# Altium PCB BaseBoard.PcbDoc (part 2 of 3)
Units mm, origin at the board's own origin, x right, y up, seen from the top; angles counter-clockwise.
Board outline 100 x 99.75 mm, 4 copper layers (Top Layer, Mid Layer 1, Mid Layer 2, Bottom Layer), stack 1.57 mm thick; 186 components, 158 nets, 693 pads, 406 vias.
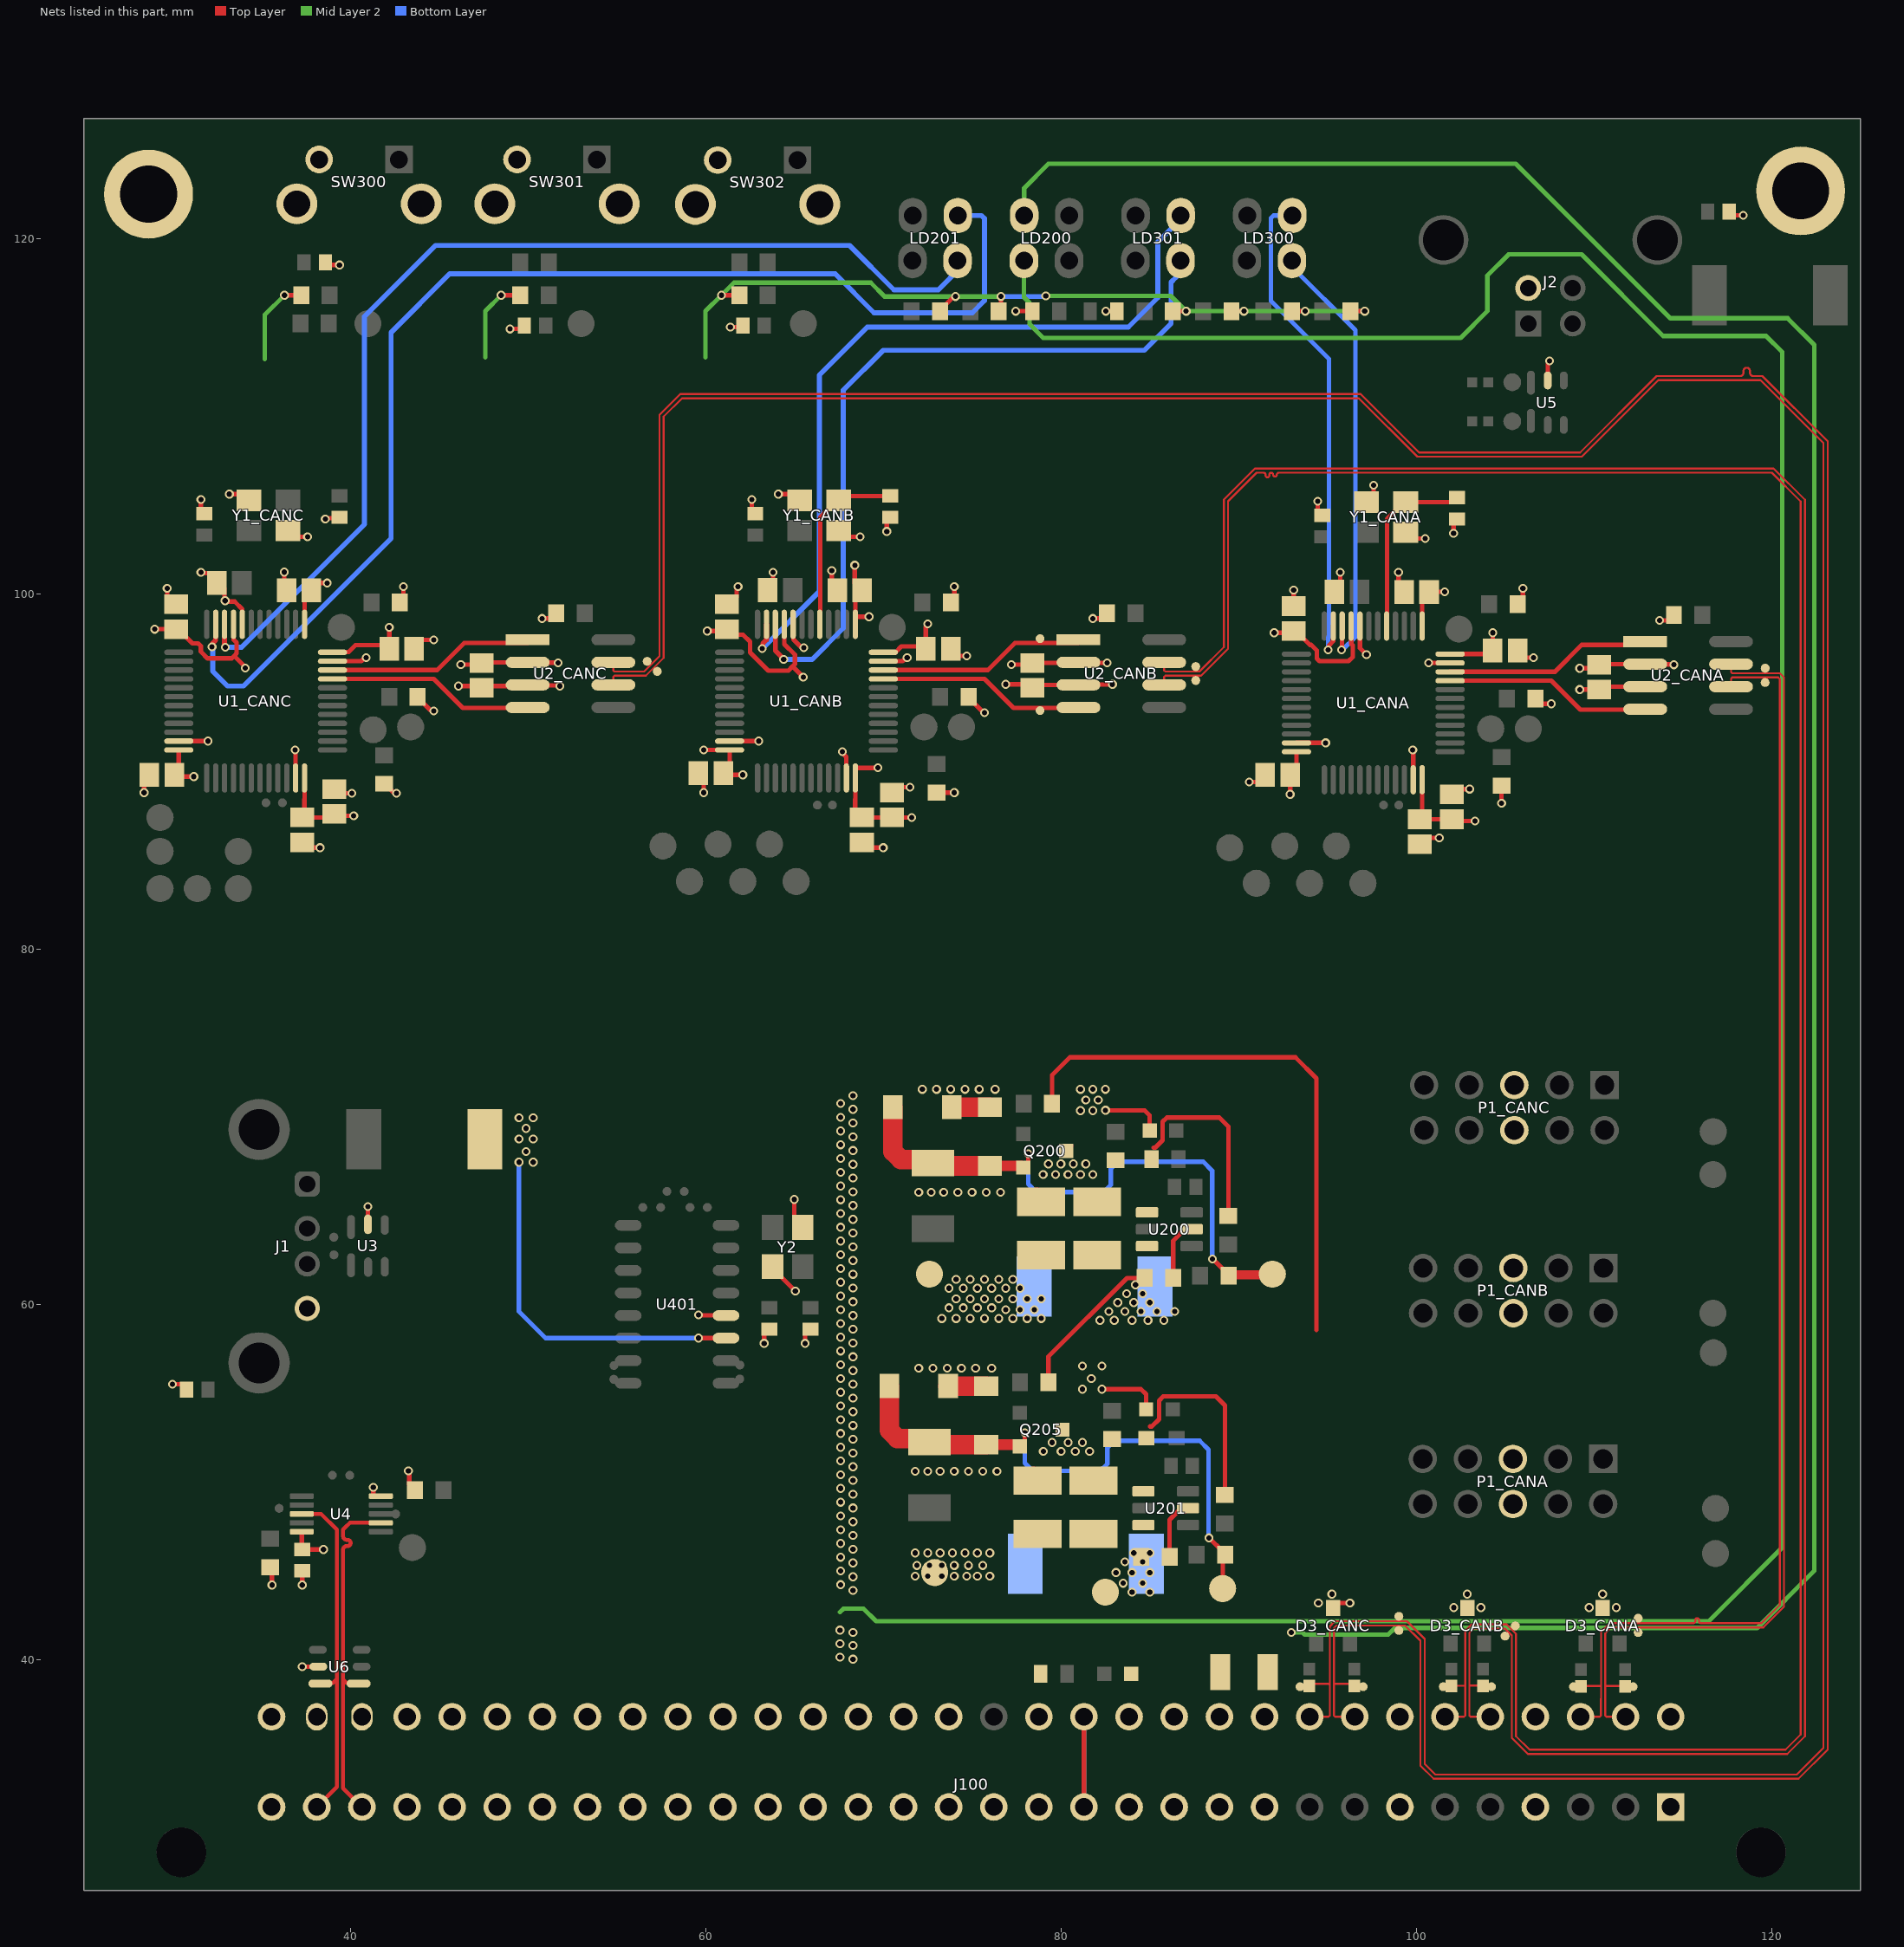
[diagram p4: the nets of this part, all layers, seen from the top]

## Part data
C1_CANA C1_CANB C1_CANC C4_CANA C4_CANB C4_CANC C5_CANA C5_CANB C5_CANC C6_CANA C6_CANB C6_CANC C7_CANA C7_CANB C7_CANC C8_CANA C8_CANB C8_CANC C9_CANA C9_CANB C9_CANC C10_CANA C10_CANB C10_CANC: library part CMP-2007-00266-1, Manufacturer=Kemet, Part Number=C0805C103K5RACTU
C2_CANA C2_CANB C2_CANC C3_CANA C3_CANB C3_CANC C11 C12 C13 C14 C15 C200 C205 C309 C310 C311: library part CMP-2006-03061-2, "CAP CER 0.1UF 50V X7R 0603", Capacitance="0.10 μF", Manufacturer=KEMET, Manufacturer Part Number=C0603C104K5RACTU, Package=C0603C-CF, Temperature="-55°C to +125°C", Temperature Characteristic=X7R, Temperature Coefficient=30ppm/°C, Temperature Range High=+125°C, Temperature Range Low=-55°C, Tolerance=0.1, Voltage Rating="50 V", Automotive=Yes, Automotive Grade="Grade 1", Category=Cap, ComponentLink2Description=Datasheet, ComponentLink2URL=https://api.kemet.com/component-edge/download/datasheet/C0603C100J5GACAUTO.pdf, Device Class L1="Passive Components", Device Class L2=Capacitors, Device Class L3="Ceramic Capacitors", Digikey Description="CAP CER 0.1UF 50V X7R 0603", Height=0.87mm, Lead Free=Yes, Material=Ceramic, Octopart=https://octopart.com/c0603c104k5ractu-kemet-139244, RoHS=TRUE
C201 C202 C206 C207: library part CMP-05428-001070-1, "Molded Tantalum Polymer Capacitor 10uF 20% 16V life 2000Hours SMD 1411", Capacitance=10uF, Case Code (Imperial)=1210, Case Code (Metric)=3528, Case/Package=1411, ESR (Equivalent Series Resistance)=100mR, Leakage Current=48uA, Max Operating Temperature=105°C, Min Operating Temperature=-55°C, Package Quantity=2000, Ripple Current=800mA, Tolerance=20%, Voltage=16V, Construction=Flat, Depth=2.8mm, Dissipation Factor=10%, Features="General Purpose", Height=1.9mm, Height - Seated (Max)=0.083inch, Lead Free="Lead Free", Length=3.5mm, Life (Hours)=2000Hour, Mount="Surface Mount", Number of Pins=2, Packaging="Tape and Reel", Polarity=Polar, Radiation Hardening=No, REACH SVHC="No SVHC", RoHS Compliant=Yes, Series="POSCAP™ TQC", Termination=SMD/SMT, Voltage Rating=16V, Voltage Rating (DC)=16V, Width=2.8mm
C203 C204 C208 C209: library part CMP-08246-004858-1, "Multilayer Ceramic Capacitors 22μF ±20% 6.3V X5R SMD 1206", Capacitance=22uF, Case Code (Imperial)=1206, Case Code (Metric)=3216, Dielectric=X5R, Dielectric Material=Ceramic, Max Operating Temperature=85°C, Min Operating Temperature=-55°C, Package Quantity=1, Tolerance=20%, Voltage Rating=6.3V, Case/Package=1206, Depth=1.6mm, Height=0.85mm, Lead Free="Lead Free", Length=0.126inch, Mount="Surface Mount", Number of Pins=2, Packaging="Cut Tape", REACH SVHC="No SVHC", Resistor Type=Ceramic, RoHS Compliant=Yes, Series=C, Termination=SMD/SMT, Thickness=0.037inch, Voltage Rating (DC)=6.3V, Weight=0.000571oz, Width=0.063inch
D1 D2 D203 D204: library part CMP-00278-84331622-1, "SS32 Rectifier Diode, Schottky, 1 Phase, 1 Element, 3A, 20V V(RRM), Silicon, DO-214AB", Average Rectified Current=3A, Case/Package=SMC, Forward Voltage=500mV, Manufacturer Lifecycle Status=ACTIVE, Max Forward Surge Current (Ifsm)=100A, Max Junction Temperature (Tj)=150°C, Max Power Dissipation=2.27W, Max Repetitive Reverse Voltage (Vrrm)=20V, Max Reverse Leakage Current=500µA, Min Operating Temperature=-55°C, Current Rating=3A, Element Configuration=Single, Forward Current=3A, Height=2.65mm, Lead Free="Lead Free", Length=7.15mm, Lifecycle Status=Production, Max Operating Temperature=150°C, Max Reverse Voltage (DC)=20V, Max Surge Current=100A, Mount="Surface Mount", NexarPartId=84331622, Number of Elements=1, Number of Pins=2, Number of Terminals=2, Output Current=3A, Packaging="Cut Tape", Peak Non-Repetitive Surge Current=100A, Peak Reverse Current=500µA, Polarity=Standard, Radiation Hardening=No, REACH SVHC="No SVHC", RoHS=Compliant, Schedule B="8541100080, 8541100080", Voltage Rating (DC)=20V, Weight=300mg, Width=6.25mm
D3_CANA D3_CANB D3_CANC: library part CMP-56244-000002-1, "TVS DIODE 5.25V SOT23", Breakdown Voltage=6.65V, Capacitance=140pF, Case/Package=SOT-23, Leakage Current=20uA, Max Breakdown Voltage=7.2V, Max Operating Temperature=150°C, Min Breakdown Voltage=6.1V, Min Operating Temperature=-55°C, Package Quantity=1, Peak Pulse Power=300W, Power Line Protection=No, Reverse Standoff Voltage=5.25V, Composition=Zener, Depth=1.4mm, Direction=Unidirectional, Element Configuration="Common Anode", Lead Free="Lead Free", Length=3.04mm, Mount="Surface Mount", Number of Channels=2, Number of Pins=3, Number of Unidirectional Channels=2, Packaging="Tape and Reel", Power Dissipation=300W, Radiation Hardening=No, Termination=SMD/SMT, Working Voltage=5.25V
D200 D201 D202: library part CMP-18399-000013-1, "LED GREEN DIFFUSED 0603 SMD", Colour=Green, Forward Current=20mA, Forward Voltage=2.1V, Manufacturer=Broadcom, Manufacturer Part Number=HSME-C191, Max Junction Temp=+95°C, Package=0, Power Dissipation=52mW, Reverse Voltage=5V, Temperature="-40°C to +85°C", Temperature Range High=+85°C, Temperature Range Low=-40°C, Automotive=No, Category=Diode, ComponentLink2Description=Datasheet, ComponentLink2URL=https://docs.broadcom.com/docs/AV02-0976EN, Device Class L1=Optoelectronics, Device Class L2=LEDs, Device Class L3=unset, Digikey Description="LED GREEN DIFFUSED 0603 SMD", Height=0.7mm, Lead Free=Yes, Led Orientation="Top View", Luminous Intensity=50mcd, Mouser Description="Standard LEDs - SMD AlInGaP Green", Octopart=https://octopart.com/hsme-c191-broadcom-71131261, Peak Emmision Wavelength=570nm, RoHS=TRUE, Viewing Angle=170°, Wavelength=572nm
F200: library part CMP-08605-000093-1, Case Code (Imperial)=1206, Case Code (Metric)=3216, Current Rating=750mA, DC Cold Resistance=111mR, Max Operating Temperature=90°C, Min Operating Temperature=-55°C, Package Quantity=5000, Resistance=220mR, Voltage Rating=63V, Approvals=UL, Body Material=Thermoplastic, Case/Package=1206, Depth=1.52mm, Fuse Current=750mA, Fuse Type="Board Mount (Cartridge Style Excluded)", Height=0.023inch, Lead Free="Lead Free", Length=3.18mm, Mount="Surface Mount", Number of Pins=2, Packaging="Tape and Reel", Radiation Hardening=No, RoHS Compliant=Yes, Series=466, Termination=SMD/SMT, Voltage Rating (AC)=63V, Voltage Rating (DC)=63V, Width=0.06inch, Working Voltage=63V
J1: library part CMP-1502-03227-2, Color=White, Contact Resistance=20mΩ, Current Rating=1.5A, Flammability Rating="UL94 V-0", Insulation Resistance=1GΩ, Max Operating Temperature=105°C, Min Operating Temperature=-40°C, Operating Supply Voltage=30V, Connector Type=USB, Contact Material=Copper, Contact Plating=Gold, Gender=Receptacle, Insulation Material=PBT, Lead Free="Lead Free", Length=15.8mm, Mount="Horizontal, Through Hole", NexarPartId=21041530, Number of Contacts=4, Number of Pins=4, Number of Ports=1, Number of Positions=4, Orientation=Horizontal, REACH SVHC=Unknown, RoHS=Compliant, Termination=Solder, USB Standard="USB 2.0", Voltage Rating=30V, Voltage Rating (DC)=30V, Width=14.4mm
J2: library part CMP-2000-05874-1, "Connector Receptacle, USB Type B, Right Angle, -20 to 85 degC, 4-Pin THD, RoHS, Tray", Manufacturer="ASSMANN WSW", Package Description="4-Pin Through Hole Device, Body 16.5 x 12.04 mm", Package Reference=USBSB, Body Orientation=RightAngle, CAD Drawing=3DCADModel, Datasheet URL=https://datasheet.ciiva.com/11731/0900766b80da421f-11731321.pdf, Datasheet Version=12/2009, Gender=Female, Manufacturer URL=http://www.assmann.us/, Mounting Technology=ThroughHole, Mounting Type=ThroughHole, Number of Ports=1, Termination Method=Solder
J100: library part CMP-33111-000001-1, "CONN DIN HDR 96POS PCB RA", Current Rating=2A, Manufacturer=Harting, Package=0, Temperature="-55°C to +125°C", Temperature Range High=+125°C, Temperature Range Low=-55°C, Automotive=No, Category=Conn, ComponentLink2Description=Datasheet, ComponentLink2URL=https://b2b.harting.com/files/download/PRD/PDF_DS/09031200203_100580339DRW000B.pdf, Conn Gender=Male, Conn Orientation="Right Angle", Contact Material=Gold,Nickel, Device Class L1=Connectors, Device Class L2="Backplane Connectors", Device Class L3=unset, Digikey Description="CONN DIN HDR 96POS PCB RA", Footprint Url=https://b2b.harting.com/files/download/PRD/PDF_TS/0903164X921_100072506DRW176A.pdf, Height=11mm, Lead Free=Yes, Manufacturer Part Number="09 03 164 6921", Mouser Description="Conn DIN 41612 M 64 POS 2.54mm Solder RA Thru-Hole Box", Number of Contacts=64, Number of Rows=2, Octopart=https://octopart.com/09031646921-harting+elektronik-42933, Pitch=2.54mm, RoHS=TRUE
L200 L201: library part CMP-07248-000008-1, "MDA4020-3R3M / 3.3uH ±20% 3.1A 65mΩ SMD,4.1x4.5mm Inductors (SMD) ROHS", Inductance=3.3uH, Manufacturer=Bourns, Manufacturer Part Number=SRP4020TA-3R3M, Package=SRP4020TA, Rms Current=3.5A, Saturation Current=4A, Self Resonant Frequency=40MHz, Series Resistance=76mΩ, Temperature="-40°C to +150°C", Temperature Range High=+150°C, Temperature Range Low=-40°C, Test Frequency=100kHz, Tolerance=20%, Automotive=Yes, Automotive Grade="Grade 0", Category=Ind, ComponentLink2Description=Datasheet, ComponentLink2URL=https://www.bourns.com/docs/Product-Datasheets/SRP4020TA.pdf, Composition=Wirewound, Core Material="Carbonyl Powder", Device Class L1="Passive Components", Device Class L2=Inductors, Device Class L3="Fixed Inductors", Digikey Description="FIXED IND 3.3UH 3.5A 76 MOHM SMD", Height=2.1mm, Lead Free=Yes, Mouser Description="Ind Power Shielded Wirewound 3.3uH 20% 100KHz Carbonyl Powder 3.5A T/R", Octopart=https://octopart.com/srp4020ta-3r3m-bourns-47300338, Q Factor=10, RoHS=TRUE, Shielding=true
LD200 LD201 LD300 LD301: library part DoubleStack_Side_Led_3mm
P1_CANA P1_CANB P1_CANC: library part CMP-2000-05031-1, "Male Header, Pitch 2.54 mm, 2 x 5 Position, Height 9.3 mm, Tail Length 2.79 mm, -55 to 105 degC, RoHS, Bulk", Current Rating=1A, Manufacturer=3M, Brand=3MElectronicSolutionsDivision, Contact Gender=Pin(Male), Contact Material=Brass, Contact Plating=Gold, Datasheet URL=http://datasheet.octopart.com/30310-6002HB-3M-datasheet-11537585.pdf, Datasheet Version=Apr-12, Factory Pack Quantity=1000, Housing Material=Polyester, Manufacturer URL=http://www.3m.com/, Mating Post Length=5.99mm, Mounting Angle=Straight, Mounting Style=StraightPin, Number of Positions=10Position, Number of Rows=2Row, Packaging=Tray, Pitch=2.54mm, Product=Headers, Product Category=Headers&WireHousings, RoHS=Details, Row Spacing=2.54mm, Series=303, Termination Post Length=2.79mm, Termination Style=ThroughHole, Type=Shrouded
Q200 Q205: library part CMP-83955-000006-1, "MOSFET N-CH 30V 5.7A SOT23", Case/Package=SOT-23, Continuous Drain Current (ID)=5.7A, Drain to Source Voltage (Vdss)=30V, Gate to Source Voltage (Vgs)=12V, Input Capacitance=630pF, Max Operating Temperature=150°C, Max Power Dissipation=1.4W, Min Operating Temperature=-55°C, Lead Free="Lead Free", Mount="Surface Mount", Number of Elements=1, Number of Pins=3, Packaging="Tape and Reel", Power Dissipation=1.4W, Radiation Hardening=No, Rds On Max=26.5mR
R1_CANA R1_CANB R1_CANC R2_CANA R2_CANB R2_CANC R3_CANA R3_CANB R3_CANC R4_CANA R4_CANB R4_CANC R200 R202 R203 R213 R215 R216 R217 R218: library part CMP-1012-00081-1, "2K 0.1W 5% 0603 (1608 Metric)  SMD", Case-EIA=0603, Case-Metric=1608, Power="0.1 W", Tolerance="5 %", Technology=SMT
R4 R5 R201 R211 R212 R214 R309 R310 R311 R312: library part CMP-1012-00081-1, "0.1W 1% 0603 (1608 Metric)  SMD", Case-EIA=0603, Case-Metric=1608, Power="0.1 W", Tolerance="5 %", Technology=SMT
R6_CANA R6_CANB R6_CANC R7_CANA R7_CANB R7_CANC: library part CMP-009-00004-5, "Chip Resistor, 0 Ohm, 0.063 W, -55 to 155 degC, 0402 (1005 Metric)", Case/Package=0402, Max Operating Temperature=155°C, Min Operating Temperature=-55°C, Power=63mW, Voltage Rating=50V, Mounting Technology=SM, Pins=2, RoHS Compliant=True
R206 R209: library part CMP-2000-03529-2, "RES Thick Film, 680Ω, 1%, 0.1W, 100ppm/°C, 0603", Case Code (Imperial)=0603, Case Code (Metric)=1608, Max Operating Temperature=155°C, Max Power Dissipation=100mW, Min Operating Temperature=-55°C, Package Quantity=10, Temperature Coefficient=100ppm/°C, Tolerance=1%, Voltage Rating=75V, Case/Package=0603, Composition="Thick Film", Contact Plating=Tin, Depth=0.85mm, Features="Automotive AEC-Q200", Height=0.45mm, Lead Free="Lead Free", Length=1.55mm, Military Standard=Not, Number of Pins=2, Number of Terminations=2, Packaging="Tape and Reel", Power Rating=100mW, Radiation Hardening=No, Resistance=680R, Termination=SMD/SMT, Voltage Rating (DC)=75V, Weight=7.1E-05oz, Width=0.85mm, Working Voltage=75V
R207 R210: library part CMP-1659-00018-2, "General Purpose Chip Resistors, 220 Ohm, +/- 1%, -55 to 155 degC, 0603 (1608 Metric), RoHS, Tape and Reel", ComponentLink1Description="Manufacturer URL", ComponentLink1URL=http://www.yageo.com/, ComponentLink2Description=Datasheet, ComponentLink2URL=https://datasheet.ciiva.com/11808/0900766b80f96399-11808136.pdf, DatasheetVersion="Rev. 4, 04/2009", PackageDescription="2-Pin Surface Mount Device, Body 1.6 x 0.8 mm", PackageReference=0603, RoHSCompliant=false
R208: library part CMP-2100-03663-2, Case Code (Imperial)=0603, Max Operating Temperature=155°C, Min Operating Temperature=-55°C, Power Rating=100mW, Resistance=100Ω, Temperature Coefficient=100ppm/°C, Tolerance=1%, Voltage Rating=50V, Case Code (Metric)=0603, Case/Package=0603, Composition="Thick Film", Depth=800µm, Height=450µm, Lead Free="Lead Free", Length=1.6mm, Military Standard=Not, NexarPartId=55402879, Number of Pins=2, Packaging="Tape & Reel", REACH SVHC=Unknown, RoHS=Compliant, Schedule B="8533210045, 8533210045", Termination=SMD/SMT, Voltage Rating (DC)=50V, Width=800µm
R302 R303 R304 R305 R306 R307: library part CMP-1012-00081-1, "0.1W 5% 0603 (1608 Metric)  SMD", Case-EIA=0603, Case-Metric=1608, Power="0.1 W", Tolerance="5 %", Technology=SMT
Rb1 Rb2: library part CMP-2002-08143-1, Manufacturer="Vishay Dale", Part Number=CRCW040210R0FKED
SW300 SW301 SW302: library part CMP-08834-000053-1, "SWITCH TACTILE SPST-NO 0.05A 24V", Actuator Color=Grey, Contact Current Rating=50mA, Contact Resistance=100mR, Max Operating Temperature=70°C, Max Voltage Rating (DC)=24V, Min Operating Temperature=-25°C, Operating Force=1.47N, Package Quantity=1000, Ratings=IP00, Actuator Length=1.6mm, Actuator Type=Standard, Contact Material=Gold, Contact Plating=Gold, Current Rating=50mA, Depth=7.85mm, Electrical Life=300000Cycles, Height=7.4mm, Illumination Type=Non-Illuminated, Lead Free="Lead Free", Length=7.3mm, Max Current Rating=50mA, Mechanical Life=300000Cycles, Mount="Through Hole", Number of Poles=1, Orientation="Right Angle", Packaging=Bulk, Radiation Hardening=No, RoHS Compliant=Yes, Series=B3F, Switch Function=Off-Mom, Switch Travel=0.25mm, Termination="PC Pins", Throw Configuration=SPST, Voltage Rating (DC)=24V, Weight=0.25g, Width=6.25mm
TP1_CANA TP1_CANB TP1_CANC TP2_CANA TP2_CANB TP2_CANC TP3_CANA TP3_CANB TP3_CANC TP4_CANA TP4_CANB TP4_CANC TP5_CANA TP5_CANB TP5_CANC TP6_CANA TP6_CANB TP6_CANC TP7_CANA TP7_CANB TP7_CANC TP8_CANA TP8_CANB TP8_CANC TP11_CANA TP11_CANB TP11_CANC TP17 TP22 TP23: library part TestPoint
U1_CANA U1_CANB U1_CANC: library part CMP-0304-00166-4, "ARM Cortex-M0 32-bit MCU, 64 KB Flash, 16 KB Internal RAM, 37 I/Os, 48-Pin LQFP, -40 to 85 degC, Tray", I/Os (High Current)=37, Manufacturer=STMicroelectronics, Operating Frequency(F) (Processor speed) (MHz)=48, Package Description="48-Pin Low Profile Quad Flat Package, Body 7 x 7 mm, Pitch 0.5 mm", Package Reference=LQFP48, Supply Voltage(Vcc) min (V)=2, ComponentLink1Description="Manufacturer URL", ComponentLink1URL=http://www.st.com/, ComponentLink2Description=Datasheet, ComponentLink2URL=http://www.st.com/st-web-ui/static/active/en/resource/technical/document/datasheet/DM00090510.pdf, Core="ARM Cortex-M0", D/A Converter=1, DatasheetVersion="Rev. 5", FLASH Size (Prog) (kB)=64, Internal RAM Size (kB)=16, Mounting Technology="Surface Mount", Packing=Tray, PartNumber=STM32F072C8T6
U2_CANA U2_CANB U2_CANC: library part CMP-0315-00015-3, "IC TRANSCEIVER HALF 1/1 8SOIC", Case/Package=D, Max Operating Temperature=85°C, Max Supply Current=17mA, Max Supply Voltage=3.6V, Min Operating Temperature=-40°C, Min Supply Voltage=3V, Operating Supply Voltage=3.3V, Package Quantity=1, Contact Plating=Gold, Data Rate=1Mbps, Lead Free="Lead Free", Nominal Supply Current=17mA, Number of Drivers=1, Number of I/Os=2, Number of Pins=8, Number of Receive Buffers=1, Number of Receivers=1, Number of Transceivers=1, Number of Transmit Buffers=1, Packaging="Tape and Reel", Radiation Hardening=No, REACH SVHC="No SVHC", Termination=SMD/SMT, Weight=0.002561oz
U3 U5 U6: library part CMP-2000-06457-1, "Dual USB 2.0 integrated ESD protection, 0 to 5.5 V, -40 to 85 degC, 6-Pin TSOP (SOT457), RoHS, Tape and Reel", Capacitance Value=1.2pF, ESD Protection Voltage=8KV@ContactDisc, Leakage Current=0.1uA, Manufacturer="NXP Semiconductors", Operating Temperature Max Deg. C=85C, Operating Temperature Min Deg. C=-40C, Package / Case=TSOP, Package Description="6-Pin Thin Small Outline Package, Body 2.9 x 1.5 mm, Pitch 0.95 mm", Package Reference=SOT457, Package Version="06-03-16, 03/2006", PartNumber=IP4220CZ6, Working Voltage=5.5V, Configuration=Quad, Datasheet URL=http://cache.nxp.com/documents/data_sheet/IP4220CZ6.pdf, Datasheet Version="Rev. 5, 07/2011", Direction Type=Uni-Directional, Leakage Current (Max)=0.1uA, Manufacturer URL=http://www.nxp.com/, Mounting Style=SurfaceMount, Mounting Technology=SurfaceMount, Number of Channels=4, Package URL=http://www.nxp.com/documents/outline_drawing/sot457_po.pdf, Packaging=TapeandReel, Pin Count=6, Product Depth (mm)=1.7mm, Product Height (mm)=1mm, Product Length (mm)=3.1mm, Rad Hardened=No, Suppressor Type=DiodeArrays, VF=0.7V, VIN Max=5.5V, VIN Min=0V, Working Voltage (Max)=5.5V
U4: library part CMP-0309-00091-2, "High-Speed USB 2.0 (480-Mbps) 1:2 Multiplexer / Demultiplexer Switch with Single, 10 ohm RON, 3.0 to 4.3V, -40 to 85 degC, 10-Pin MSOP (DGS), Green (RoHS & no Sb/Br)", Manufacturer="Texas Instruments", Architecture="\"1\",\"2 mux/demux\"", Bandwidth(MHz)=900, Code_JEDEC=MO-187-BA, ComponentLink1Description=Datasheet, ComponentLink1URL=http://www.ti.com/general/docs/lit/getliterature.tsp?genericPartNumber=TS3USB30E&fileType=pdf, ComponentLink2Description="Package Specification", ComponentLink2URL=http://www.ti.com/litv/pdf/mpds035b, DatasheetVersion=SCDS255D, Eco-Plan="Green (RoHS & no Sb/Br)", ESD HBM(kV)=+/-8, ICC(uA)=1, IL OFF(Max)(nA)=2, Mounting Technology="Surface Mount", Number of Channels=2, OFF Time(Max)(ns)=30, ON Time(Max)(ns)=25, PackageDescription="10-Pin Thin Shrink Small Outline Package 0.5 mm Pitch", PackageReference=DGS0010A, PackageVersion="revC, Feb-2004", PartNumber=TS3USB30EDGSR, RON Flatness(Max)(Ohms)=2, RON Mis-match(Max)(Ohms)=0.35, ron(max)(ohms)=10, SubFamily="USB Switch", tpd max(ns)=0.25, Vcc range(V)="3.0 to 4.3"
U200 U201: library part CMP-007-000000-1, Package=None, Availability=Unavailable, Component Type=Standard, Design Item ID=TPS563201DDCT, MP=TPS563201DDCT, Pin Count=6, Price=None, Source=TPS563201DDCT.SchLib
Y1_CANA Y1_CANB Y1_CANC: library part CMP-18717-000311-1, "Crystal", Case/Package=SMD/SMT, ESR (Equivalent Series Resistance)=100R, Frequency=12MHz, Frequency Stability=10ppm, Load Capacitance=10pF, Max Operating Temperature=70°C, Min Operating Temperature=-20°C, Package Quantity=3000, Depth=2.5mm, Frequency Tolerance=10ppm, Height=0.031inch, Length=3.2mm, Mount="Surface Mount", Number of Pins=4, Packaging="Tape and Reel", REACH SVHC="No SVHC", RoHS Compliant=Yes, Series=7M, Termination=SMD/SMT, Tolerance=10ppm, Width=0.098inch